# Altium PCB BalloonMBv1.PcbDoc (part 1 of 2)
Units mm, origin at the board's own origin, x right, y up, seen from the top; angles counter-clockwise.
Board outline 92.46 x 92.46 mm, 2 copper layers (Top Layer, Bottom Layer); 155 components, 138 nets, 578 pads, 218 vias.
Unrouted connection lines stored in the file: 3.
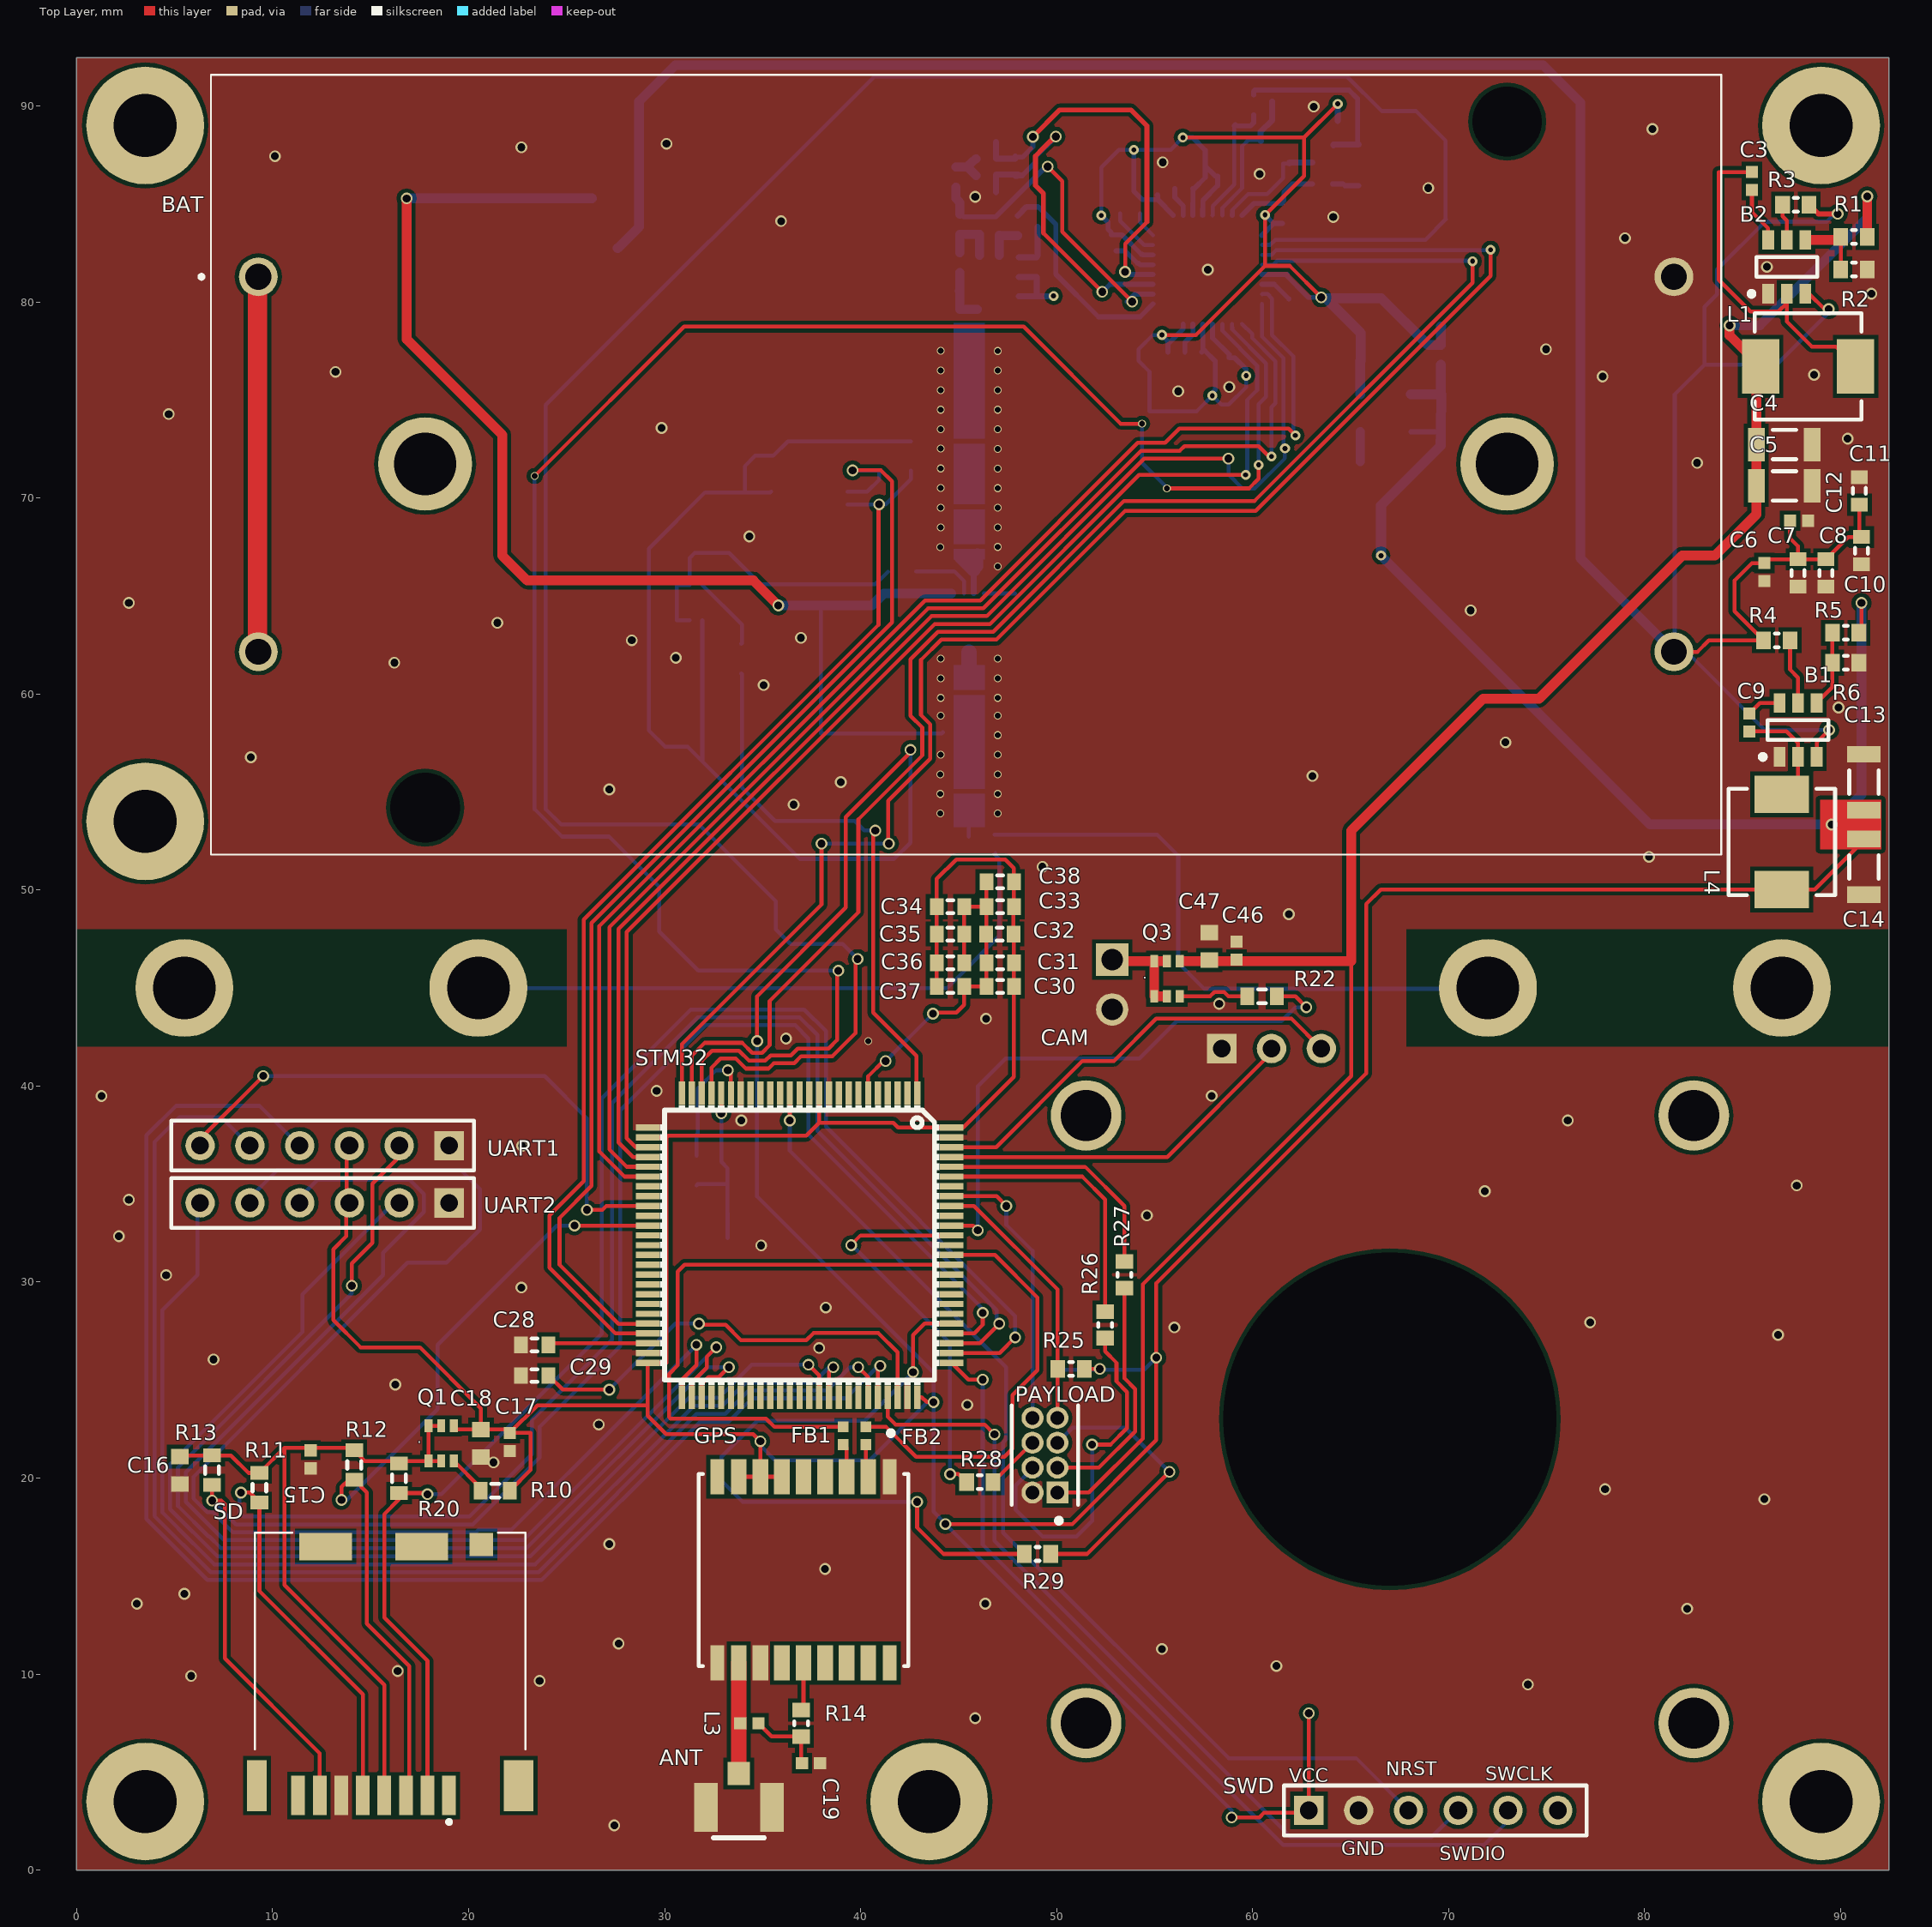
[diagram p0: Top Layer view]
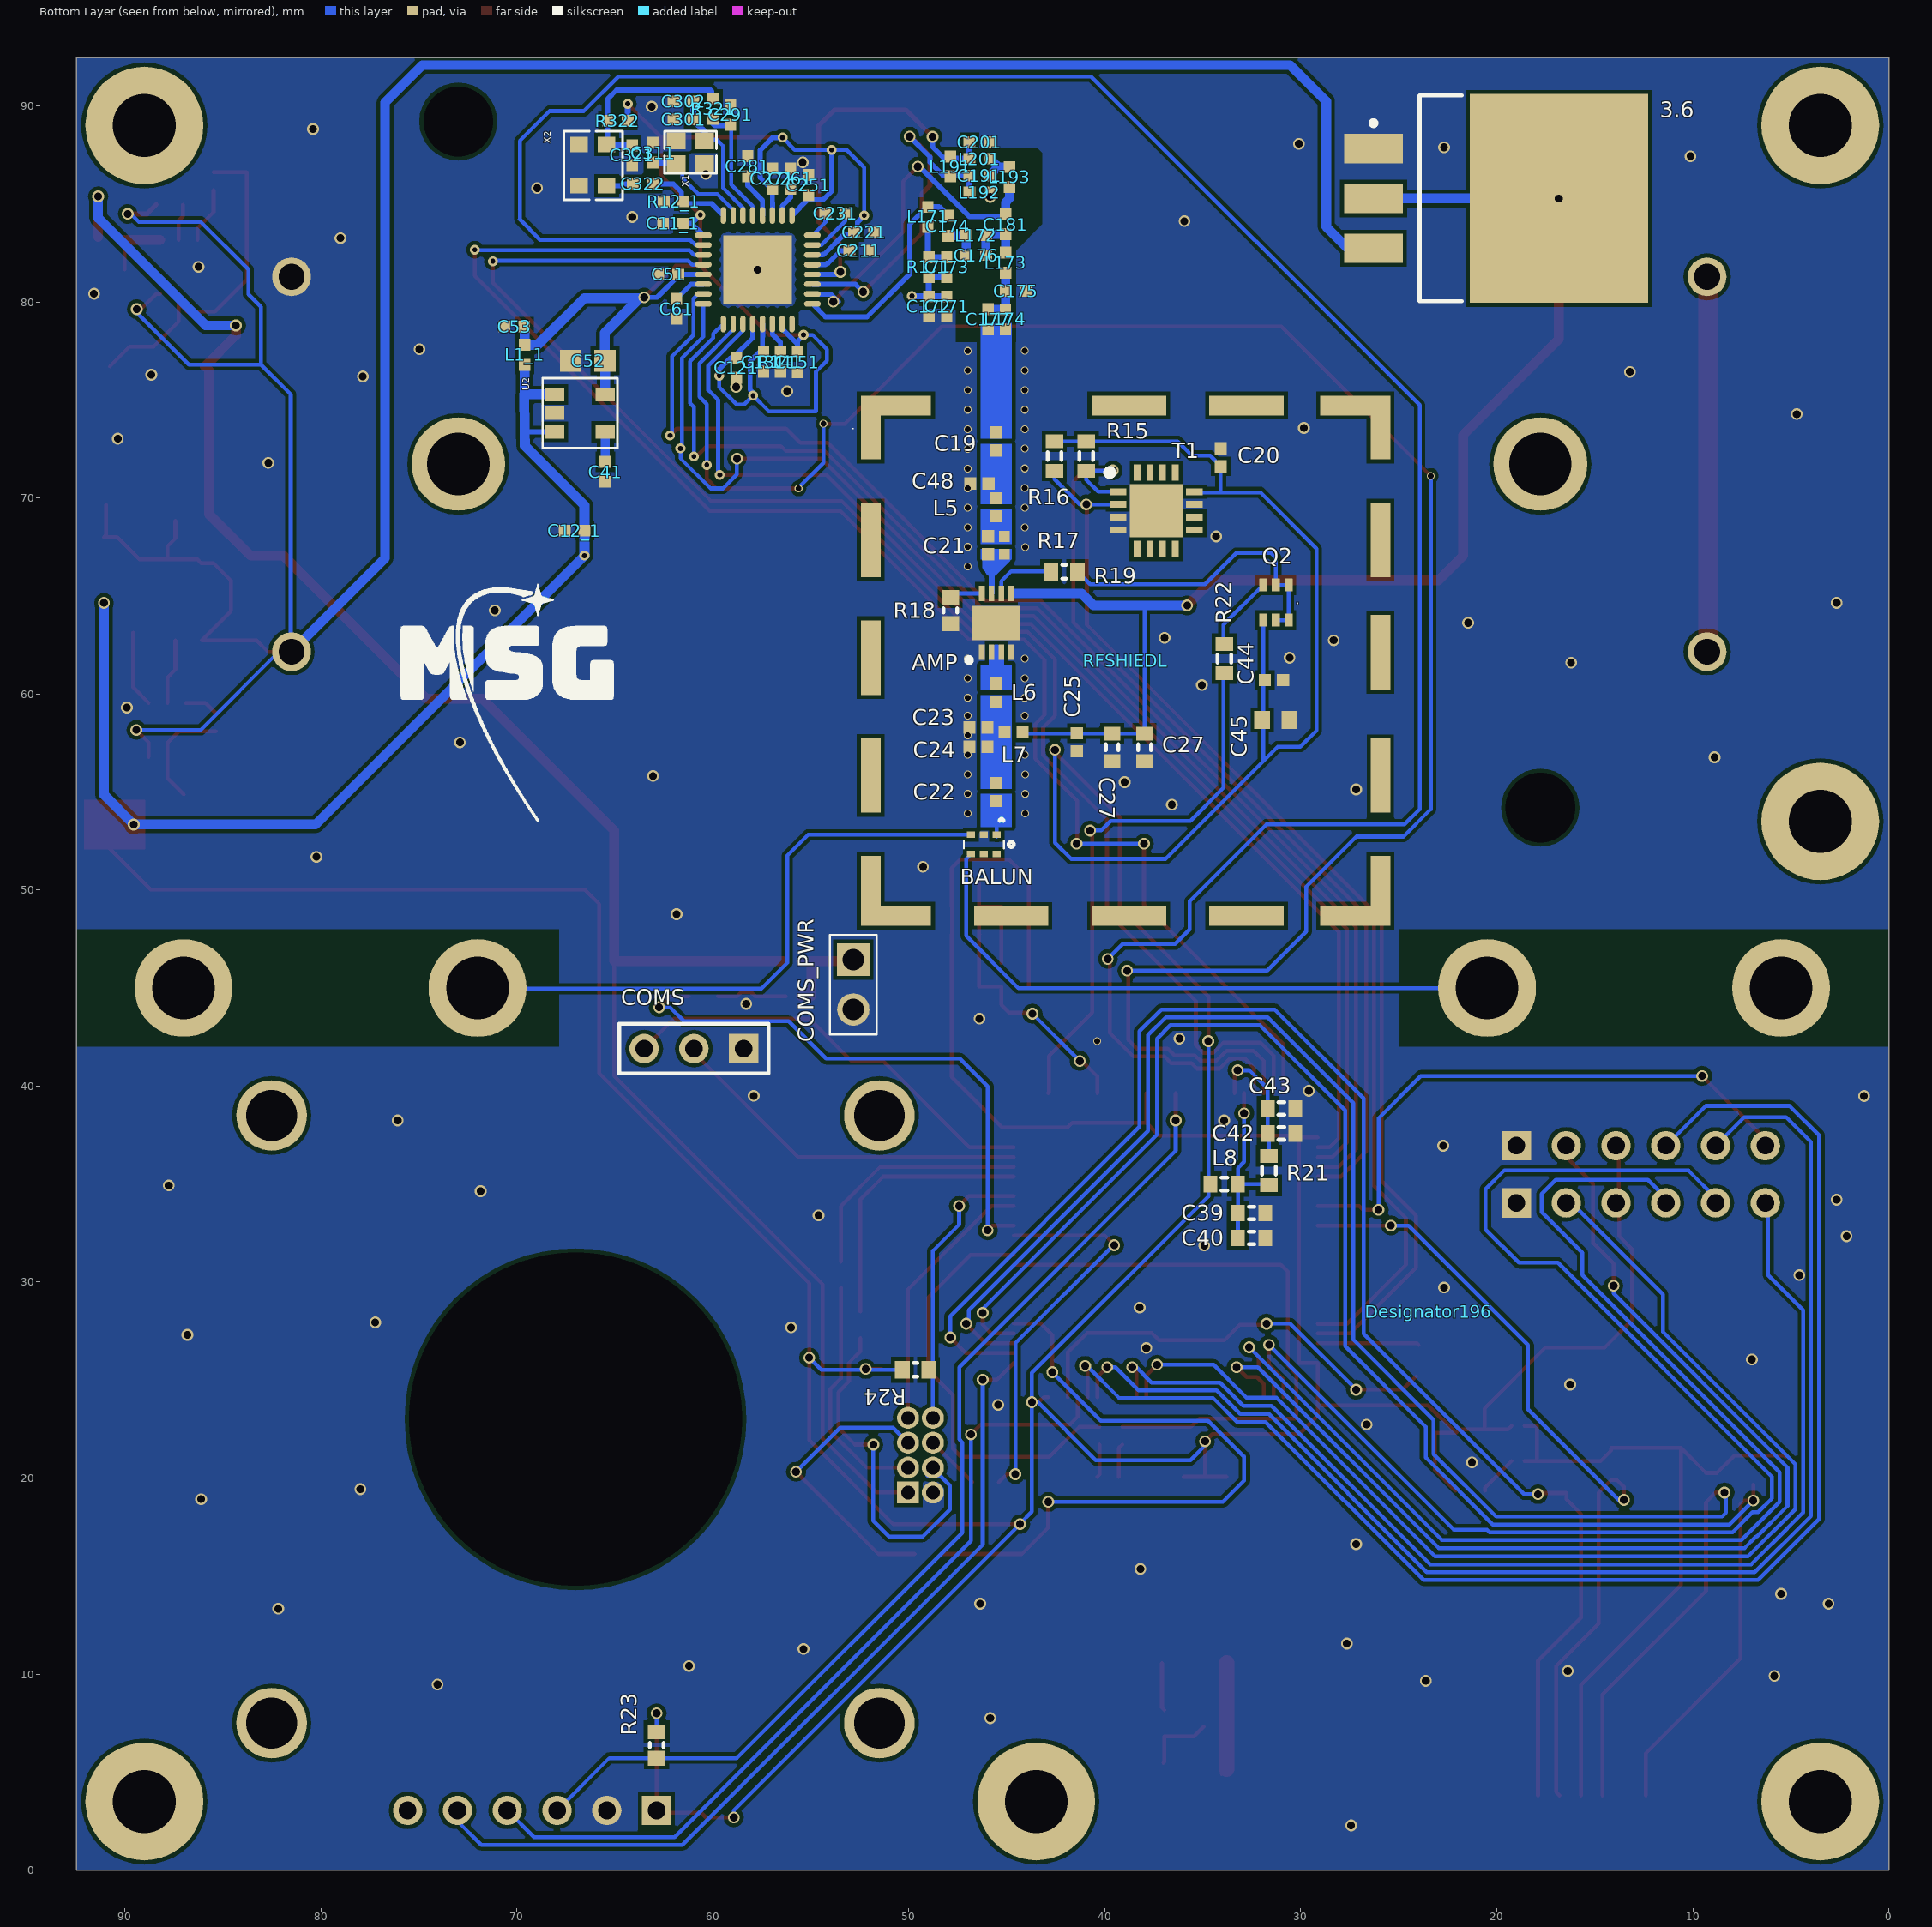
[diagram p1: Bottom Layer view, seen from below]

## Layer stack, top to bottom
Top Solder: solder mask 0.0102, Solder Resist, Dk 3.5
Top Layer: signal copper 0.0356
Dielectric 1: dielectric 0.32, FR-4, Dk 4.8
Bottom Layer: signal copper 0.0356
Bottom Solder: solder mask 0.0102, Solder Resist, Dk 3.5

## Board outline
0,0 92.456,0 92.456,92.456 0,92.456

## Design rules (kind name [scope] priority, off if disabled: settings)
Clearance [All] p1: gap=0.2 ignorepadtopadclearanceinfootprint=FALSE except(0.1: Arc-SMDPad Track-SMDPad SMDPad-SMDPad SMDPad-Hole THPad-THPad THPad-Hole; 0.19: Arc-Fill Arc-Poly Arc-Region Track-Fill Track-Poly Track-Region)
ComponentClearance [All] p1: gap=0 collisioncheckmode=3 verticalgap=0 showdistances=FALSE
Height [All] p1: minheight=0 maxheight=40 prefheight=12.7
PolygonConnect [All] p1: connectstyle=Direct reliefconductorwidth=0.254 reliefentries=4 polygonreliefangle="90 Angle" airgapwidth=0.254
RoutingVias [All] p1: holewidth=0.711 width=1.27 viastyle="Through Hole" minholewidth=0.711 minwidth=1.27 maxholewidth=0.711 maxwidth=1.27
SolderMaskExpansion [All] p1: expansion=0.102
UnRoutedNet [All] p1: checkbadconnections=TRUE
Width [All] p1: maxlimit=1.6 minlimit=0.1 preferedwidth=0.2 minimp=50.000000 maximp=50.000000 favimp=50.000000 checkconnectedcopper=TRUE
27 further rules are at their usual default settings.

## Components (designator, comment, footprint, x,y, rotation, side; value= is the part's Value field where it differs from the comment)
3.6 "Comment" LT-M-3_N 20.039,85.28 r180 bottom
AMP "Comment" BGA6130 45.527,63.627 r90 bottom
ANT "Comment" RECE.20279.001E.01 33.786,3.198 r180 top
B1 "Comment" SOT95P280X110-6N 87.825,58.166 r90 top
B2 "Comment" SOT95P280X110-6N 87.249,81.788 r90 top
BALUN "Comment" BALUN_B0322J5050AHF 46.169,52.324 r0 bottom
BAT "Comment" 1049P 9.271,81.28 r0 top locked
C3 "Comment" CAP_0402_M 85.471,86.167 r270 top
C4 "Comment" CAPC3216X09L 87.122,72.724 r0 top
C5 "Comment" CAPC3216X09L 87.122,70.612 r0 top
C6 "Comment" CAP_0402_M 86.106,66.215 r90 top
C7 "Comment" CAP_0603 87.825,66.167 r270 top
C8 "Comment" CAP_0603 89.237,66.167 r270 top
C9 "Comment" CAP_0402_M 85.344,58.547 r270 top
C10 "Comment" CAP_0603 91.059,67.31 r270 top
C11 "Comment" CAP_0603 90.953,70.358 r90 top
C11_1 "Comment" "0402 (REFLOW LF)" 62.028,84.005 r180 bottom
C12 "Comment" CAP_0402_M 87.876,68.834 r180 top
C12_1 "Comment" "0402 (REFLOW LF)" 67.056,68.326 r0 bottom
C13 "Comment" CAPC3216X09L 91.186,55.499 r90 top
C14 "Comment" CAPC3216X09L 91.186,51.178 r270 top
C15 "Comment" CAP_0402_M 11.938,20.955 r270 top
C16 "Comment" 1608[0603] 5.272,20.392 r90 top
C17 "Comment" CAP_0402_M 22.098,21.844 r90 top
C18 "Comment" 1608[0603] 20.631,21.774 r90 top
C19 "Comment" CAP_0402_M 45.527,72.881 r90 bottom
C19 "Comment" CAP_0402_M 37.465,5.461 r0 top
C20 "Comment" CAP_0402_M 34.09,72.075 r90 bottom
C21 "Comment" CAP_0402_M 45.952,67.587 r90 bottom
C22 "Comment" CAP_0402_M 45.528,55 r90 bottom
C23 "Comment" CAP_0402_M 46.442,58.293 r180 bottom
C24 "Comment" CAP_0402_M 46.442,57.309 r180 bottom
C25 "Comment" CAP_0402_M 41.428,57.531 r90 bottom
C27 "Comment" CAP_0603 39.624,57.277 r270 bottom
C27 "Comment" CAP_0603 37.973,57.277 r90 bottom
C28 "Comment" CAP_0603 23.368,26.797 r0 top
C29 "Comment" CAP_0603 23.362,25.23 r0 top
C30 "Comment" CAP_0603 47.117,45.085 r0 top
C31 "Comment" CAP_0603 47.117,46.287 r0 top
C32 "Comment" CAP_0603 47.095,47.752 r0 top
C33 "Comment" CAP_0603 47.117,49.149 r0 top
C34 "Comment" CAP_0603 44.577,49.149 r0 top
C35 "Comment" CAP_0603 44.577,47.752 r0 top
C36 "Comment" CAP_0603 44.577,46.287 r0 top
C37 "Comment" CAP_0603 44.577,45.085 r0 top
C38 "Comment" CAP_0603 47.117,50.419 r0 top
C39 "Comment" CAP_0603 32.512,33.52 r180 bottom
C40 "Comment" CAP_0603 32.512,32.25 r180 bottom
C41 "Comment" "0402 (REFLOW LF)" 65.483,71.335 r270 bottom
C42 "Comment" CAP_0603 30.988,37.584 r180 bottom
C43 "Comment" CAP_0603 30.988,38.854 r180 bottom
C44 "Comment" CAP_0402_M 31.369,60.706 r0 bottom
C45 "Comment" 1608[0603] 31.274,58.674 r0 bottom
C46 "Comment" CAP_0402_M 59.182,46.912 r90 top
C47 "Comment" 1608[0603] 57.785,47.127 r90 top
C48 "Comment" CAP_0402_M 46.395,70.739 r0 bottom
C51 "Comment" "0402 (REFLOW LF)" 62.267,81.404 r180 bottom
C52 "Comment" "0603 (REFLOW)" 66.372,76.994 r0 bottom
C53 "Comment" "0402 (REFLOW LF)" 70.131,78.747 r0 bottom
C61 "Comment" "0402 (REFLOW LF)" 61.85,79.646 r270 bottom
C121 "Comment" "0402 (REFLOW LF)" 58.802,76.639 r90 bottom
C131 "Comment" "0402 (REFLOW LF)" 57.405,76.937 r90 bottom
C151 "Comment" "0402 (REFLOW LF)" 55.678,76.931 r90 bottom
C171 "Comment" "0402 (REFLOW LF)" 48.063,79.768 r270 bottom
C172 "Comment" "0402 (REFLOW LF)" 48.977,79.768 r270 bottom
C173 "Comment" "0402 (REFLOW LF)" 48.063,81.774 r270 bottom
C174 "Comment" "0402 (REFLOW LF)" 48.012,83.883 r90 bottom
C175 "Comment" "0402 (REFLOW LF)" 44.532,80.555 r180 bottom
C176 "Comment" "0402 (REFLOW LF)" 46.564,82.384 r180 bottom
C177 "Comment" "0402 (REFLOW LF)" 45.952,79.112 r270 bottom
C181 "Comment" "0402 (REFLOW LF)" 45.065,83.959 r270 bottom
C191 "Comment" "0402 (REFLOW LF)" 46.392,86.448 r0 bottom
C201 "Comment" "0402 (REFLOW LF)" 46.392,88.156 r180 bottom
C211 "Comment" "0402 (REFLOW LF)" 52.529,82.608 r180 bottom
C221 "Comment" "0402 (REFLOW LF)" 52.275,83.548 r180 bottom
C231 "Comment" "0402 (REFLOW LF)" 53.748,84.513 r0 bottom
C251 "Comment" "0402 (REFLOW LF)" 55.119,85.961 r270 bottom
C261 "Comment" "0402 (REFLOW LF)" 56.034,86.291 r270 bottom
C271 "Comment" "0402 (REFLOW LF)" 56.948,86.291 r270 bottom
C281 "Comment" "0402 (REFLOW LF)" 58.218,86.926 r270 bottom
C291 "Comment" "0402 (REFLOW LF)" 59.107,89.542 r270 bottom
C301 "Comment" "0402 (REFLOW LF)" 61.495,89.313 r180 bottom
C302 "Comment" "0402 (REFLOW LF)" 61.495,90.228 r180 bottom
C311 "Comment" "0402 (REFLOW LF)" 63.044,87.612 r270 bottom
C321 "Comment" "0402 (REFLOW LF)" 64.111,87.485 r90 bottom
C322 "Comment" "0402 (REFLOW LF)" 63.56,86.022 r180 bottom
CAM "Comment" CAM 67,23 r270 top locked
COMS "Comment" HDR1X3 58.421,41.91 r0 bottom
COMS_PWR "Comment" 7731111802LF 52.832,43.906 r90 bottom
Designator196 "Comment" OPENLST 23.5,28.5 r90 bottom locked
FB1 "Comment" RES_0402_M 39.116,22.156 r90 top
FB2 "Comment" RES_0402_M 40.259,22.156 r90 top
GPS "Comment" u-blox_0_MAX_M8Q 37.086,15.316 r90 top locked
L1 "Comment" Vishay_IHLP-2020CZ-FP_1_905x2_79-3D_3_0_MFG 88.336,76.708 r0 top
L1_1 "Comment" "0402 (REFLOW LF)" 69.597,77.299 r90 bottom
L3 "Comment" CAP_0402_M 34.322,7.493 r0 top
L4 "Comment" Vishay_IHLP-2020CZ-FP_1_905x2_79-3D_3_0_MFG 86.995,52.451 r270 top
L5 "Comment" CAP_0402_M 45.545,69.527 r90 bottom
L6 "Comment" CAP_0402_M 45.541,60.071 r90 bottom
L7 "Comment" CAP_0402_M 44.652,58.039 r180 bottom
L8 "Comment" IND_0603 33.905,34.994 r180 bottom
L171 "Comment" "0402 (REFLOW LF)" 49.028,84.34 r270 bottom
L172 "Comment" "0402 (REFLOW LF)" 46.564,83.4 r0 bottom
L173 "Comment" "0402 (REFLOW LF)" 45.065,82.003 r90 bottom
L174 "Comment" "0402 (REFLOW LF)" 45.07,79.112 r90 bottom
L191 "Comment" "0402 (REFLOW LF)" 47.885,86.912 r90 bottom
L192 "Comment" "0402 (REFLOW LF)" 46.392,85.591 r0 bottom
L193 "Comment" "0402 (REFLOW LF)" 44.862,86.372 r90 bottom
L201 "Comment" "0402 (REFLOW LF)" 46.392,87.305 r0 bottom
PAYLOAD "Comment" Sullins_GRPB042VWVN-RC_0 49.403,21.166 r90 top
Q1 "Comment" Si1401EDH 17.951,20.873 r0 top
Q2 "Comment" Si1401EDH 30.626,65.559 r0 bottom
Q3 "Comment" Si1401EDH 54.978,44.577 r0 top
R1 "Comment" RES_0603 90.678,83.312 r0 top
R2 "Comment" RES_0603 90.678,81.661 r0 top
R3 "Comment" RES_0603 87.711,84.963 r0 top
R4 "Comment" RES_0603 86.741,62.738 r0 top
R5 "Comment" RES_0603 90.254,63.119 r0 top
R6 "Comment" RES_0603 90.254,61.595 r0 top
R10 "Comment" J1-0603 21.355,19.361 r0 top
R11 "Comment" J1-0603 9.328,19.514 r90 top
R12 "Comment" J1-0603 14.162,20.665 r90 top
R12_1 "Comment" "0402 (REFLOW LF)" 61.998,85.125 r180 bottom
R13 "Comment" J1-0603 6.915,20.403 r90 top
R14 "Comment" RES_0603 36.957,7.493 r90 top
R15 "Comment" J1-0603 40.94,72.139 r90 bottom
R16 "Comment" J1-0603 42.57,72.139 r90 bottom
R17 "Comment" RES_0402_M 45.114,67.587 r90 bottom
R18 "Comment" RES_0603 47.885,64.262 r90 bottom
R19 "Comment" RES_0603 42.069,66.233 r180 bottom
R20 "Comment" J1-0603 16.452,19.987 r90 top
R21 "Comment" J1-0603 31.623,35.687 r90 bottom
R22 "Comment" J1-0603 60.482,44.577 r0 top
R22 "Comment" J1-0603 33.909,61.8 r90 bottom
R23 "Comment" RES_0603 62.865,6.383 r90 bottom
R24 "Comment" RES_0603 49.657,25.529 r0 bottom
R25 "Comment" RES_0603 50.734,25.565 r180 top
R26 "Comment" RES_0603 52.475,27.815 r90 top
R27 "Comment" RES_0603 53.452,30.372 r90 top
R28 "Comment" RES_0603 46.08,19.791 r0 top
R29 "Comment" RES_0603 49.022,16.129 r180 top
R141 "Comment" "0402 (REFLOW LF)" 56.542,76.937 r270 bottom
R171 "Comment" "0402 (REFLOW LF)" 48.977,81.774 r270 bottom
R321 "Comment" "0402 (REFLOW LF)" 59.968,89.856 r270 bottom
R322 "Comment" "0402 (REFLOW LF)" 64.848,89.237 r180 bottom
RFSHIEDL "Comment" BMIS103 38.938,61.694 r180 bottom locked
SD "Comment" DM3CSSFPEJMS 16.002,10.16 r0 top
STM32 "Comment" LQFP100 36.886,31.88 r270 top locked
SWD "Comment" HDR1X6 62.865,3.048 r0 top
T1 "Comment" QFN65P400X400X80-17N-D 37.379,69.345 r180 bottom
U2 "Comment" SOT23-5 66.778,74.327 r270 bottom
UART1 "Comment" HDR1X6 19,36.957 r180 top
UART2 "Comment" HDR1X6 19,34.036 r180 top
X1 "Comment" "XTAL_SMD_2x1_6 (2.0x1.6mm no paste reduction)" 61.139,87.637 r180 bottom
X2 "Comment" "TCXO_TG_5021CG (2.5x2mm)" 66.118,86.977 r270 bottom

## Footprints (in the part's own frame and the unit in brackets; to place one, negate y for a bottom-side part, rotate by r counter-clockwise, add the part's x,y. Pads: shape width x height; smd on the part's side, far side on the other; paste and mask are expansions set on the pad)
"0402 (REFLOW LF)" [mil]
  rect 24x23 smd paste+0 mask+6: 1(-20,0) 2(20,0)
"0603 (REFLOW)" [mm]
  rect 1.1x1.1 smd paste+0 mask+0.102: 1(-0.873,0) 2(0.873,0)
1049P [mm]
  round 1.98 hole 1.32: 1(0,0) 2(0,-19.13) 3(72.22,-19.13) 4(72.22,0)
  round 4.77 hole 3.18: 5(8.51,-9.55) 6(63.71,-9.55)
  round 1.775 hole 3.55 unplated: MH1(8.51,-27.08) MH2(63.71,7.92)
  silkscreen extent -3,-29.47 74.64,10.31, body extent -2.42,-29.47 74.64,10.31, height 14.95
1608[0603] [mm] "Chip Capacitor, Body 1.6x0.8mm, IPC High Density"
  rect 0.8x0.9 smd: 1(-0.7,0) 2(0.7,0)
  body extent -0.87,-0.48 0.87,0.48, height 1.3
7731111802LF [mm]
  round 1.65 hole 1.1: 1(0,0)
  rect 1.65x1.65 hole 1.1: 2(2.54,0)
  silkscreen extent -1.27,-1.2 3.81,1.2, body extent -1.27,-1.2 3.81,1.2, height 9.04
BALUN_B0322J5050AHF [mm]
  rect 0.41x0.33 smd: 1(-0.66,-0.495) 2(0,-0.495) 3(0.66,-0.495) 4(0.66,0.495) 5(0,0.495) 6(-0.66,0.495)
  silkscreen extent -1.52,-1.3 1.02,0.2, body extent -1.02,-0.65 1.02,0.64, height 0.81
BGA6130 [mm]
  rect 0.8x0.3 smd: 1(-1.5,0.75) 2(-1.5,0.25) 3(-1.5,-0.25) 4(-1.5,-0.75) 5(1.5,-0.75) 6(1.5,-0.25) 7(1.5,0.25) 8(1.5,0.75)
  rect 1.75x2.45 smd: 9(0,0)
  silkscreen extent -2.02,1.28 -1.78,1.53, body extent -1.55,-1.5 1.55,1.5, height 1
BMIS103 [mm]
  rect 1x3.24 smd: 1(-13.005,11.895) 15(13.005,11.895)
  rect 1x3.8 smd: 2(-13.005,6.155) 3(-13.005,0.155) 4(-13.005,-5.845) 12(13.005,-5.845) 13(13.005,0.435) 14(13.005,6.155)
  rect 1x3.57 smd: 5(-13.005,-11.73) 11(13.005,-11.73)
  rect 2.57x1 smd: 6(-11.22,-13.015) 10(11.22,-13.015) 16(11.22,13.015) 20(-11.22,13.015)
  rect 3.8x1 smd: 7(-5.835,-13.015) 8(0.165,-13.015) 9(6.165,-13.015) 17(6.165,13.015) 18(0.165,13.015)
  rect 3.8x1 on Bottom Overlay: 19(-5.835,13.015)
  silkscreen extent -13.95,11.83 -13.9,11.87, body extent -13.4,-13.41 13.4,13.41, height 5.18
CAM [mm]
  round 3.6 hole 2.6: 4(-15.5,15.5) 4(-15.5,-15.5) 4(15.5,15.5) 4(15.5,-15.5)
  round 1.524 hole 17: 5(0,0)
  body extent -18.39,-18 18.39,18, height 22.95
CAP_0402_M [mm] "Chip Capacitor, 2-Leads, Body 1.00x0.50mm, IPC Medium Density"
  rect 0.62x0.62 smd: 1(-0.46,0) 2(0.46,0)
  body extent -0.5,-0.26 0.5,0.27, height 0.36
CAP_0603 [mm] "Chip Capacitor, 2-Leads, Body 1,6x0,8mm, IPC High Density"
  rect 0.7x0.85 smd: 1(-0.7,0) 2(0.7,0)
  silkscreen extent -0.15,-0.33 0.15,0.33, body extent -0.8,-0.42 0.8,0.38, height 0.7
CAPC3216X09L [mm] "Chip Capacitor, 2-Leads, Body 3.20x1.60mm, IPC High Density"
  rect 0.85x1.7 smd: 1(-1.425,0) 2(1.425,0)
  silkscreen extent -0.6,-0.75 0.6,0.75, body extent -1.7,-0.9 1.7,0.9, height 0.95
DM3CSSFPEJMS [mm]
  rect 0.7x2 smd: 1(3,-6.35) 2(1.9,-6.35) 3(0.8,-6.35) 4(-0.3,-6.35) 5(-1.4,-6.35) 6(-2.5,-6.35) 7(-3.6,-6.35) 8(-4.7,-6.35)
  rect 1x2.6 smd: 9(-6.8,-5.85)
  rect 1.5x2.6 smd: 10(6.55,-5.85)
  rect 1.2x1.2 smd: 11(4.65,6.45)
  rect 2.7x1.4 smd: 12(1.6,6.35) 13(-3.3,6.35)
  silkscreen extent -6.9,-7.8 6.9,7.05, body extent -7.2,-7.28 7.15,7.05, height 1.93
HDR1X3 [mm] "Connector; Header; 3 Position"
  rect 1.5x1.5 hole 0.9: 1(0,0)
  round 1.5 hole 0.9: 2(2.54,0) 3(5.08,0)
  silkscreen extent -1.27,-1.27 6.36,1.27, body extent -1.29,-1.52 6.33,1.4, height 8.61
HDR1X6 [mm] "Connector; Header; 5 Position"
  rect 1.5x1.5 hole 0.9: 1(0,0)
  round 1.5 hole 0.9: 2(2.54,0) 3(5.08,0) 4(7.62,0) 5(10.16,0) 6(12.7,0)
  silkscreen extent -1.27,-1.27 14.17,1.27
IND_0603 [mm]
  rect 0.7x0.85 smd: 1(-0.7,0) 2(0.7,0)
  silkscreen extent -0.15,-0.33 0.15,0.33, body extent -0.74,-0.4 0.86,0.4, height 0.95
J1-0603 [mm] "Chip Resistor, Body 1.6x0.8mm, IPC High Density"
  rect 0.7x0.9 smd: 1(-0.75,0) 2(0.75,0)
  silkscreen extent -0.2,-0.35 0.2,0.35, body extent -0.85,-0.48 0.85,0.48, height 0.9
LQFP100 [mm]
  rect 1.2x0.32 smd: 1(-7.75,6) 2(-7.75,5.5) 3(-7.75,5) 4(-7.75,4.5) 5(-7.75,4) 6(-7.75,3.5) 7(-7.75,3) 8(-7.75,2.5) 9(-7.75,2) 10(-7.75,1.5) 11(-7.75,1) 12(-7.75,0.5) 13(-7.75,0) 14(-7.75,-0.5) 15(-7.75,-1) 16(-7.75,-1.5) 17(-7.75,-2) 18(-7.75,-2.5) 19(-7.75,-3) 20(-7.75,-3.5) 21(-7.75,-4) 22(-7.75,-4.5) 23(-7.75,-5) 24(-7.75,-5.5) 25(-7.75,-6) 51(7.75,-6) 52(7.75,-5.5) 53(7.75,-5) 54(7.75,-4.5) 55(7.75,-4) 56(7.75,-3.5) 57(7.75,-3) 58(7.75,-2.5) 59(7.75,-2) 60(7.75,-1.5) 61(7.75,-1) 62(7.75,-0.5) 63(7.75,0) 64(7.75,0.5) 65(7.75,1) 66(7.75,1.5) 67(7.75,2) 68(7.75,2.5) 69(7.75,3) 70(7.75,3.5) 71(7.75,4) 72(7.75,4.5) 73(7.75,5) 74(7.75,5.5) 75(7.75,6)
  rect 0.32x1.2 smd: 26(-6,-7.75) 27(-5.5,-7.75) 28(-5,-7.75) 29(-4.5,-7.75) 30(-4,-7.75) 31(-3.5,-7.75) 32(-3,-7.75) 33(-2.5,-7.75) 34(-2,-7.75) 35(-1.5,-7.75) 36(-1,-7.75) 37(-0.5,-7.75) 38(0,-7.75) 39(0.5,-7.75) 40(1,-7.75) 41(1.5,-7.75) 42(2,-7.75) 43(2.5,-7.75) 44(3,-7.75) 45(3.5,-7.75) 46(4,-7.75) 47(4.5,-7.75) 48(5,-7.75) 49(5.5,-7.75) 50(6,-7.75) 76(6,7.75) 77(5.5,7.75) 78(5,7.75) 79(4.5,7.75) 80(4,7.75) 81(3.5,7.75) 82(3,7.75) 83(2.5,7.75) 84(2,7.75) 85(1.5,7.75) 86(1,7.75) 87(0.5,7.75) 88(0,7.75) 89(-0.5,7.75) 90(-1,7.75) 91(-1.5,7.75) 92(-2,7.75) 93(-2.5,7.75) 94(-3,7.75) 95(-3.5,7.75) 96(-4,7.75) 97(-4.5,7.75) 98(-5,7.75) 99(-5.5,7.75) 100(-6,7.75)
  silkscreen extent -7.13,-7.13 7.11,7.11
LT-M-3_N [mm] "DPAK, 3-Leads, Body 10.55x9.4mm, Pitch 2.54mm, IPC Medium Density"
  rect 3x1.5 smd: 1(-6.25,2.54) 2(-6.25,0) 3(-6.25,-2.54)
  rect 9.1x10.65 smd: 4(3.2,0)
  silkscreen extent -6.38,-5.25 -1.75,5.25, body extent -3.9,-5.28 5.5,5.28, height 4.78
OPENLST [mm]
  round 6 hole 3.2: 35(-25,-20) 35(-25,20) 35(25,-20)
  body extent -30,-25 30,25, height 25.19
QFN65P400X400X80-17N-D [mm]
  rect 0.85x0.35 smd: 1(-1.95,0.975) 2(-1.95,0.325) 3(-1.95,-0.325) 4(-1.95,-0.975) 9(1.95,-0.975) 10(1.95,-0.325) 11(1.95,0.325) 12(1.95,0.975)
  rect 0.35x0.85 smd: 5(-0.975,-1.95) 6(-0.325,-1.95) 7(0.325,-1.95) 8(0.975,-1.95) 13(0.975,1.95) 14(0.325,1.95) 15(-0.325,1.95) 16(-0.975,1.95)
  rect 2.7x2.7 smd: 17(0,0)
  silkscreen extent -2.54,1.79 -2.21,2.11, body extent -2.05,-2.05 2.05,2.05, height 0.8
RECE.20279.001E.01 [mm]
  rect 1.2x2.5 smd: 1(-1.685,0) 2(1.685,0)
  rect 1.15x1.2 smd: 3(0,-1.73)
  silkscreen extent -1.3,1.55 1.3,1.55
RES_0402_M [mm] "Chip Resistor, 2-Leads, Body 1.00x0.50mm, IPC Medium Density"
  rect 0.55x0.55 smd: 1(-0.45,0) 2(0.45,0)
  body extent -0.52,-0.3 0.52,0.3, height 0.34
RES_0603 [mm] "Chip Resistor, 2-Leads, Body 1,6x0,8mm, IPC High Density"
  rect 0.75x0.9 smd: 1(-0.675,0) 2(0.675,0)
  silkscreen extent -0.1,-0.35 0.1,0.35, body extent -0.82,-0.48 0.72,0.38, height 0.45
Si1401EDH [mm]
  rect 0.406x0.648 smd mask+0.05: 1(0,0) 2(0.648,0) 3(1.296,0) 4(1.296,1.79) 5(0.648,1.79) 6(0,1.79)
SOT23-5 [mil]
  rect 27x39 smd paste+0 mask+0: 1(-37.5,-51) 2(0,-51) 3(37.5,-51) 4(37.5,51) 5(-37.5,51)
  silkscreen extent -70,-75 70,75
SOT95P280X110-6N [mm] "SOT23, 6-Leads, Body 2.90x2.80mm, Pitch 0.95mm, IPC Medium Density"
  rect 1x0.6 smd: 1(-1.375,0.95) 2(-1.375,0) 3(-1.375,-0.95) 4(1.375,-0.95) 5(1.375,0) 6(1.375,0.95)
  silkscreen extent -1.5,-1.55 0.5,1.92, body extent -1.46,-1.48 1.35,1.52, height 0.86
Sullins_GRPB042VWVN-RC_0 [mm]
  rect 1.12x1.12 hole 0.7 paste-1000 mask+0: 1(-1.905,-0.635)
  round 1.12 hole 0.7 paste-1000 mask+0: 2(-1.905,0.635) 3(-0.635,-0.635) 4(-0.635,0.635) 5(0.635,-0.635) 6(0.635,0.635) 7(1.905,-0.635) 8(1.905,0.635)
  silkscreen extent -3.46,-1.7 2.54,1.7, body extent -2.79,-1.95 2.79,1.95, height 0.25
"TCXO_TG_5021CG (2.5x2mm)" [mm]
  rect 0.8x0.9 smd paste-0.1 mask+0.1: 1(-1.05,-0.7) 2(1.05,-0.7) 3(1.05,0.7) 4(-1.05,0.7)
  silkscreen extent -1.73,-1.48 1.77,1.52
u-blox_0_MAX_M8Q [mm]
  rect 1.8x0.7 smd: 1(4.75,-4.4) 9(4.75,4.4) 10(-4.75,4.4) 18(-4.75,-4.4)
  rect 1.8x0.8 smd: 2(4.75,-3.3) 3(4.75,-2.2) 4(4.75,-1.1) 5(4.75,0) 6(4.75,1.1) 7(4.75,2.2) 8(4.75,3.3) 11(-4.75,3.3) 12(-4.75,2.2) 13(-4.75,1.1) 14(-4.75,0) 15(-4.75,-1.1) 16(-4.75,-2.2) 17(-4.75,-3.3)
  silkscreen extent -4.9,-5.35 7.1,5.35, body extent -2.54,-2.54 2.54,2.54, height 0.25
Vishay_IHLP-2020CZ-FP_1_905x2_79-3D_3_0_MFG [mm]
  rect 1.905x2.79 smd paste+0 mask+0: 1(-2.425,0) 2(2.426,0)
  silkscreen extent -2.72,-2.72 2.72,2.72, body extent -3.48,-2.82 3.48,2.82, height 0.25
"XTAL_SMD_2x1_6 (2.0x1.6mm no paste reduction)" [mil]
  rect 37.5x33.5 smd paste+0 mask+3.9: 1(-28.54,-22.64) 2(28.54,-22.64) 3(28.54,22.64) 4(-28.54,22.64)
  silkscreen extent -52,-43 52,42

## Part data
C3 C6 C9 C12 C15 C17 C20 C44 C46: "0.1u"
C4 C5 C13 C14: "22u"
C7 C8 C10 C11 C16 C18 C45 C47: "10u"
C11_1 C51 C121 C131 C151 C221 C251 C261 C271 C281 C291: library part C_47N_0402_X7R_K_25, "Capacitor 0402"
C12_1 C321: library part C_100N_0402_X5R_K_10, "Capacitor 0402"
C19 C22 C25: "1nF"
C19: "10n"
C21 C24 C48: "15pF"
C23: "2pF"
C27 C30 C31 C32 C33 C34 C35 C36 C37 C39 C43: "100nF"
C27: "10uF"
C28 C29: "2.2uF"
C38 C40 C42: "1uF"
C41 C171 C211: library part C_10N_0402_X7R_K_25, "Capacitor 0402"
C52: library part C_2U2_0603_X5R_K_10, "Capacitor 0603"
C53 C177 C302: library part C_0402, "Capacitor 0402, general"
C61: library part C_220N_0402_X5R_K_10, "Capacitor 0402"
C172: library part C_100P_0402_NP0_J_50, "Capacitor 0402"
C173: library part C_56P_0402_NP0_J_50, "Capacitor 0402"
C174: library part C_39P_0402_NP0_J_50, "Capacitor 0402"
C175: library part C_6P2_0402_NP0_C_50, "Capacitor 0402"
C176: library part C_2P2_0402_NP0_C_50, "Capacitor 0402"
C181 C191 C201: library part C_5P1_0402_NP0_C_50, "Capacitor 0402"
C231: library part C_1N8_0402_U2J_J_10, "Capacitor 0402"
C301 C311: library part C_15P_0402_NP0_J_50, "Capacitor, 0402"
C322: library part C_22P_0402_NP0_J_50, "Capacitor 0402"
L1 L4: "3.3uH"
L1_1: library part L_BEAD_102_0402, "EMI filter bead, BLM15HG102SN1D"
L3: "27n"
L5: "15nH"
L6: "5.6nH"
L7: "68nH"
L8: "BLM18AG331SN1"
L171 L191: library part L_56N_0402_J_LQW, "Inductor, 56nH, 0402, Wire-wound type, +/-5%"
L172 L193: library part L_15N_0402_J_LQW, "Inductor, 15nH, 0402, Wire-wound type, +/- 5%"
L173: library part L_43N_0402_J_LQW, "Inductor, 43nH, 0402; Wire-wound type, +/- 5%"
L174: library part L_22N_0402_J_LQW, "Inductor, 22nH, 0402, Wire-wound type, +/- 5%"
L192 L201: library part L_27N_0402_J_LQW, "Inductor, 22nH, 0402, Wire-wound type, +/- 5%"
R1: "54.9k"
R2 R6 R15 R16 R23 R24 R25: "10k"
R3 R4: "10K"
R5: "33.2k"
R10: "100k"
R11 R13: "47K"
R12 R20: "47k"
R12_1 R322: library part R_0_0402, "Resistor, 0402"
R14 R22: "10"
R17: "220"
R18: "3.9k"
R19: "270"
R21: "47"
R22: "100"
R26 R27 R28 R29: "0"
R141: library part R_56K_0402_F, "Resistor 0402"
R171: library part R_18_0402_J, "Resisitor 0402"
R321: library part R_0402, "Resistor 0402, general"
STM32: "?STM32F767VIT6?"
U2: library part TPS79930, "LDO 3V low noise"
X1: library part X_32.000/10/20/60/10, "Epson Toyocom FA128 32 MHz 2x1.6mm 10 pF, -40/85C, Q22FA1280009200"
X2: library part TG_5021CG, "EpsonToyocom miniature size TCXO 2.5x2.0mm"

## Free pads (board coordinates)
  oval 0.85x0.28 smd far side paste+0 mask+0.14: 1(60.479,83.402) 2(60.479,82.902) 3(60.479,82.402) 4(60.479,81.902) 5(60.479,81.402) 6(60.479,80.902) 7(60.479,80.402) 8(60.479,79.902) 17(54.917,79.902) 18(54.917,80.402) 19(54.917,80.902) 20(54.917,81.402) 21(54.917,81.902) 22(54.917,82.402) 23(54.917,82.902) 24(54.917,83.402)
  round 6 hole 3.2: 7(3.5,89) 7(89,3.5) 7(89,89)
  round 5 hole 3.2: 8(5.5,45) 8(20.5,45) 8(72,45) 8(87,45)
  oval 0.28x0.85 smd far side paste+0 mask+0.14: 9(59.458,78.874) 10(58.958,78.874) 11(58.458,78.874) 12(57.958,78.874) 13(57.458,78.874) 14(56.958,78.874) 15(56.458,78.874) 16(55.958,78.874) 25(55.958,84.412) 26(56.458,84.412) 27(56.958,84.412) 28(57.458,84.412) 29(57.958,84.412) 30(58.458,84.412) 31(58.958,84.412) 32(59.458,84.412)
  rect 3.5x3.5 smd far side paste-3.5 mask+0: 33(57.71,81.643)

## Via types
v1: diameter 0.6, hole 0.4, Top Layer to Bottom Layer, 157 vias
v2: diameter 0.4, hole 0.3, Top Layer to Bottom Layer, 44 vias
v3: diameter 0.508, hole 0.254, Top Layer to Bottom Layer, 17 vias

## Nets (pads, with @x,y where several pads share a name; then routed paths per layer and width w, separated by ;. In a path a pad name is that pad's centre, name@x,y a point inside that pad or via, vN(x,y) a via of type N, cw(c..) or ccw(c..) an arc to the next point about the centre after c; other vN are vias at no path point)
3.6V: 3.6.2 3.6.4 AMP.5 C25.2 C27.1@39.624,57.977 C27.2@37.973,57.977 L7.2 | length 66.7
  Top Layer w0.5: v1(16.839,85.28) 16.839,78.095 21.717,73.217 21.717,67.056 22.987,65.786 34.53,65.786 v1(35.8,64.516)
  Bottom Layer w0.2: 37.973,64.516 C27.2@37.973,57.977 37.985,57.989 40.314,57.989 40.316,57.991 C25.2@41.429,57.991 44.144,57.991 L7.2@44.192,58.039
  Bottom Layer w0.5: v1(16.839,85.28) 3.6.2@26.289,85.28 ; v1(35.8,64.516) 37.973,64.516 40.576,64.516 41.187,65.127 44.627,65.127
5V: C4.1 C5.1 C46.1 C47.1 L1.1 PAYLOAD.1 Q3.4 R1.2 | length 100.1
  Top Layer w0.2: PAYLOAD.1@50.038,19.261 51.646,19.261 54.399,22.014 54.399,29.888 65.024,40.513 65.024,46.355 ; L1.1@85.697,76.494 L1.1@85.911,76.708
  Top Layer w0.5: Q3.4@56.438,46.367 65.024,46.367 65.024,53.026 71.755,59.757 74.613,59.757 81.915,67.059 83.589,67.059 85.697,69.167 C5.1@85.697,70.612 C4.1@85.697,72.724 L1.1@85.697,76.494 ; v1(84.328,78.799) 84.328,78.291 L1.1@85.911,76.708 ; R1.2@91.353,83.312 v1(91.353,85.384)
  Bottom Layer w0.2: v1(91.353,85.384) 91.353,85.542 v1@91.511,85.384
  Bottom Layer w0.5: v1(84.328,78.799) 85.866,78.799 91.353,84.286 v1(91.353,85.384)
5V_COMS: COMS_PWR.2 Q3.1 Q3.2 Q3.5 Q3.6 | length 5
  Top Layer w0.2: COMS_PWR.2@52.832,46.446 COMS_PWR.2@52.911,46.367
  Top Layer w0.5: COMS_PWR.2@52.911,46.367 Q3.6@54.978,46.367 ; Q3.2@55.499,44.577 Q3.1@54.978,44.577 Q3.6@54.978,46.367 ; Q3.5@55.499,46.367 Q3.6@54.978,46.367
AMP: R22.1@33.909,61.05 STM32.1 | length 28
  Top Layer w0.2: v1@40.64,53.097 40.64,43.743 42.854,41.529 42.854,39.662 STM32.1@42.886,39.63
  Bottom Layer w0.2: R22.1@33.909,61.05 33.941,61.018 33.941,55.22 35.633,53.527 39.693,53.527 40.185,53.035 v1(40.752,53.035)
AMP_MOS: Q2.3 R22.2@33.909,62.55 | length 3.9
  Bottom Layer w0.2: Q2.3@31.922,65.559 33.941,63.54 33.941,62.582 R22.2@33.909,62.55
CC_CLK: pad.8@60.479,79.902 STM32.29 | length 66.6
  Top Layer w0.2: STM32.29@29.136,36.38 28.389,36.38 27.65,37.119 27.65,48.006 43.614,63.97 46.432,63.97 54.471,72.009 v1(58.765,72.009)
  Bottom Layer w0.2: v1(58.765,72.009) 58.765,71.196 59.476,70.485 60.112,70.485 61.647,72.02 v3(61.647,72.524)
  Bottom Layer w0.203: pad.8@60.474,79.897 60.479,78.23 61.571,77.137 v3@61.571,72.651
CC_CSn: pad.11 STM32.28 | length 61.7
  Top Layer w0.2: STM32.28@29.136,36.88 28.525,36.88 28.067,37.338 28.067,47.858 43.779,63.57 46.598,63.57 54.206,71.178 v3(59.641,71.178)
  Bottom Layer w0.203: pad.11@58.453,78.87 58.458,78.519 60.225,76.752 60.225,75.496 59.723,74.994 59.723,71.26 v3(59.641,71.178)
CC_GPIO0: pad.10 STM32.23 | length 103.9
  Top Layer w0.2: v2(23.368,71.12) 30.988,78.74 48.314,78.74 53.267,73.787 v2(54.356,73.787) ; STM32.23@31.886,39.63 31.886,41.283 32.407,41.804 33.793,41.804 34.306,41.291 35.134,41.291 35.407,41.564 36.444,41.564 36.79,41.91 38.359,41.91 38.803,42.354 38.803,45.825 v1(38.862,45.884) ; v2@55.701,70.485 59.811,70.485 60.301,70.975 v3(60.301,71.686)
  Bottom Layer w0.2: v2@23.368,71.105 23.368,54.122 24.765,52.725 27.158,52.725 29.718,50.165 29.718,47.879 31.713,45.884 v1(38.862,45.884) ; v2(54.356,73.787) 54.356,71.793 v2@55.707,70.443
  Bottom Layer w0.203: pad.10@58.953,78.87 58.958,78.594 60.682,76.87 60.682,75.166 60.301,74.785 v3(60.301,71.686)
  other v2: 55.626,70.485
CC_GPIO2: pad.4 STM32.24 | length 78.3
  Top Layer w0.2: STM32.24@31.386,39.63 31.386,41.546 32.044,42.204 33.959,42.204 34.472,41.691 34.969,41.691 35.357,42.079 35.357,44.341 39.886,48.87 39.886,53.602 43.145,56.861 43.145,58.288 42.545,58.888 42.545,61.77 43.945,63.17 46.764,63.17 53.444,69.85 60.097,69.85 71.223,80.976 v3(71.223,82.074)
  Bottom Layer w0.203: pad.4@60.474,81.897 60.479,81.897 61.042,81.901 61.241,82.1 v3@71.274,82.1
CC_GPIO3: pad.3 STM32.25 | length 79.6
  Top Layer w0.2: STM32.25@30.886,39.63 30.886,42.138 38.005,49.256 v1(38.005,52.365) ; v1@41.402,52.566 41.402,54.552 43.545,56.695 43.545,58.453 43.079,58.919 43.079,61.738 44.111,62.77 46.929,62.77 53.49,69.33 60.143,69.33 72.136,81.324 v3(72.136,82.662)
  Bottom Layer w0.2: v1(38.005,52.365) v1(41.434,52.365)
  Bottom Layer w0.203: pad.3@60.474,82.397 60.479,82.397 60.958,82.401 61.19,82.633 v3@72.136,82.633
CC_MISO: pad.9 STM32.30 | length 65.4
  Top Layer w0.2: STM32.30@29.136,35.88 29.135,35.881 28.067,35.881 27.178,36.77 27.178,48.1 43.448,64.37 46.267,64.37 54.306,72.409 56.28,72.409 56.515,72.644 60.301,72.644 60.827,72.118 v3(60.961,72.118)
  Bottom Layer w0.203: pad.9@59.453,78.87 59.968,78.364 59.968,78.165 61.165,76.969 61.165,74.835 60.961,74.632 v3(60.961,72.118)
CC_MOSI: pad.7@60.479,80.402 STM32.31 | length 68.7
  Top Layer w0.2: STM32.31@29.136,35.38 27.946,35.38 26.67,36.656 26.67,48.158 43.282,64.77 46.101,64.77 54.14,72.809 55.537,72.809 56.261,73.533 61.832,73.533 v3(62.181,73.184)
  Bottom Layer w0.203: pad.7@60.474,80.397 60.479,80.398 60.755,80.401 60.987,80.169 60.987,78.315 62.079,77.223 v3@62.079,73.184
CC_RESETN: pad.2 STM32.22 | length 122.3
  Top Layer w0.2: STM32.22@32.386,39.63 32.386,40.934 32.856,41.404 33.627,41.404 34.14,40.891 35.3,40.891 35.573,41.164 36.609,41.164 36.955,41.51 38.552,41.51 39.746,42.705 39.746,46.381 v1(39.847,46.482)
  Bottom Layer w0.2: v1(39.847,46.482) 39.085,47.244 36.414,47.244 35.668,47.99 35.668,49.422 31.75,53.34 24.716,53.34 23.934,54.122 23.934,74.734 40.699,91.499 64.818,91.499 66.581,89.736 68.326,89.736 69.85,88.212 69.85,84.208
  Bottom Layer w0.203: pad.2@60.474,82.913 60.895,82.913 61.149,83.167 68.808,83.167 69.85,84.208
D+: 
D-: 
EN_AMP: AMP.6 R19.1 | length 3.3
  Bottom Layer w0.2: R19.1@42.834,66.262 44.775,66.262 45.277,65.76 AMP.6@45.277,65.127
EN_AMP_V: Q2.1 Q2.2 Q2.5 Q2.6 R19.2 | length 15.6
  Bottom Layer w0.2: Q2.5@31.274,63.769 Q2.6@30.626,63.769 Q2.1@30.626,65.559 Q2.2@31.274,65.559 31.274,66.938 31.528,67.192 33.29,67.192 34.891,65.591 40.752,65.591 R19.2@41.394,66.233
EN_B1: B1.5 R4.2 | length 3.4
  Top Layer w0.2: R4.2@87.416,62.738 87.416,61.242 87.825,60.833 B1.5@87.825,59.541
EN_B2: B2.5 R3.1 | length 1.9
  Top Layer w0.2: R3.1@87.036,84.963 87.036,84.365 87.249,84.152 B2.5@87.249,83.163
EN_COMMS: Q3.3 R22.1@59.732,44.577 | length 3.6
  Top Layer w0.2: Q3.3@56.274,44.577 56.276,44.575 57.824,44.575 58.044,44.796 58.542,44.796 58.762,44.575 59.73,44.575 R22.1@59.732,44.577
EN_COMS_PIN: R22.2@61.232,44.577 STM32.90 | length 29
  Top Layer w0.2: STM32.90@44.636,32.88 45.733,32.88 v1(45.974,32.639) ; R22.2@61.232,44.577 62.178,44.577 v1(62.738,44.017)
  Bottom Layer w0.2: v1(45.974,32.639) 45.974,39.982 47.394,41.402 54.229,41.402 56.134,43.307 61.468,43.307 62.178,44.017 v1(62.738,44.017)
FLASH: PAYLOAD.4 R26.1 | length 19
  Top Layer w0.2: v1(51.807,21.706) 52.746,21.706 53.594,22.554 53.594,24.388 53.052,24.93 53.052,25.883 52.475,26.46 R26.1@52.475,27.14
  Bottom Layer w0.2: PAYLOAD.4@48.768,20.531 49.051,20.248 49.051,20.121 48.412,20.121 47.908,19.617 47.908,18.401 49.291,17.018 51.005,17.018 51.816,17.829 v1@51.816,21.706
FLASH_PIN: R26.2 STM32.95 | length 14
  Top Layer w0.2: STM32.95@44.636,35.38 51.305,35.38 52.475,34.21 R26.2@52.475,28.49